# KiCad board latentpink.kicad_pcb (continued)
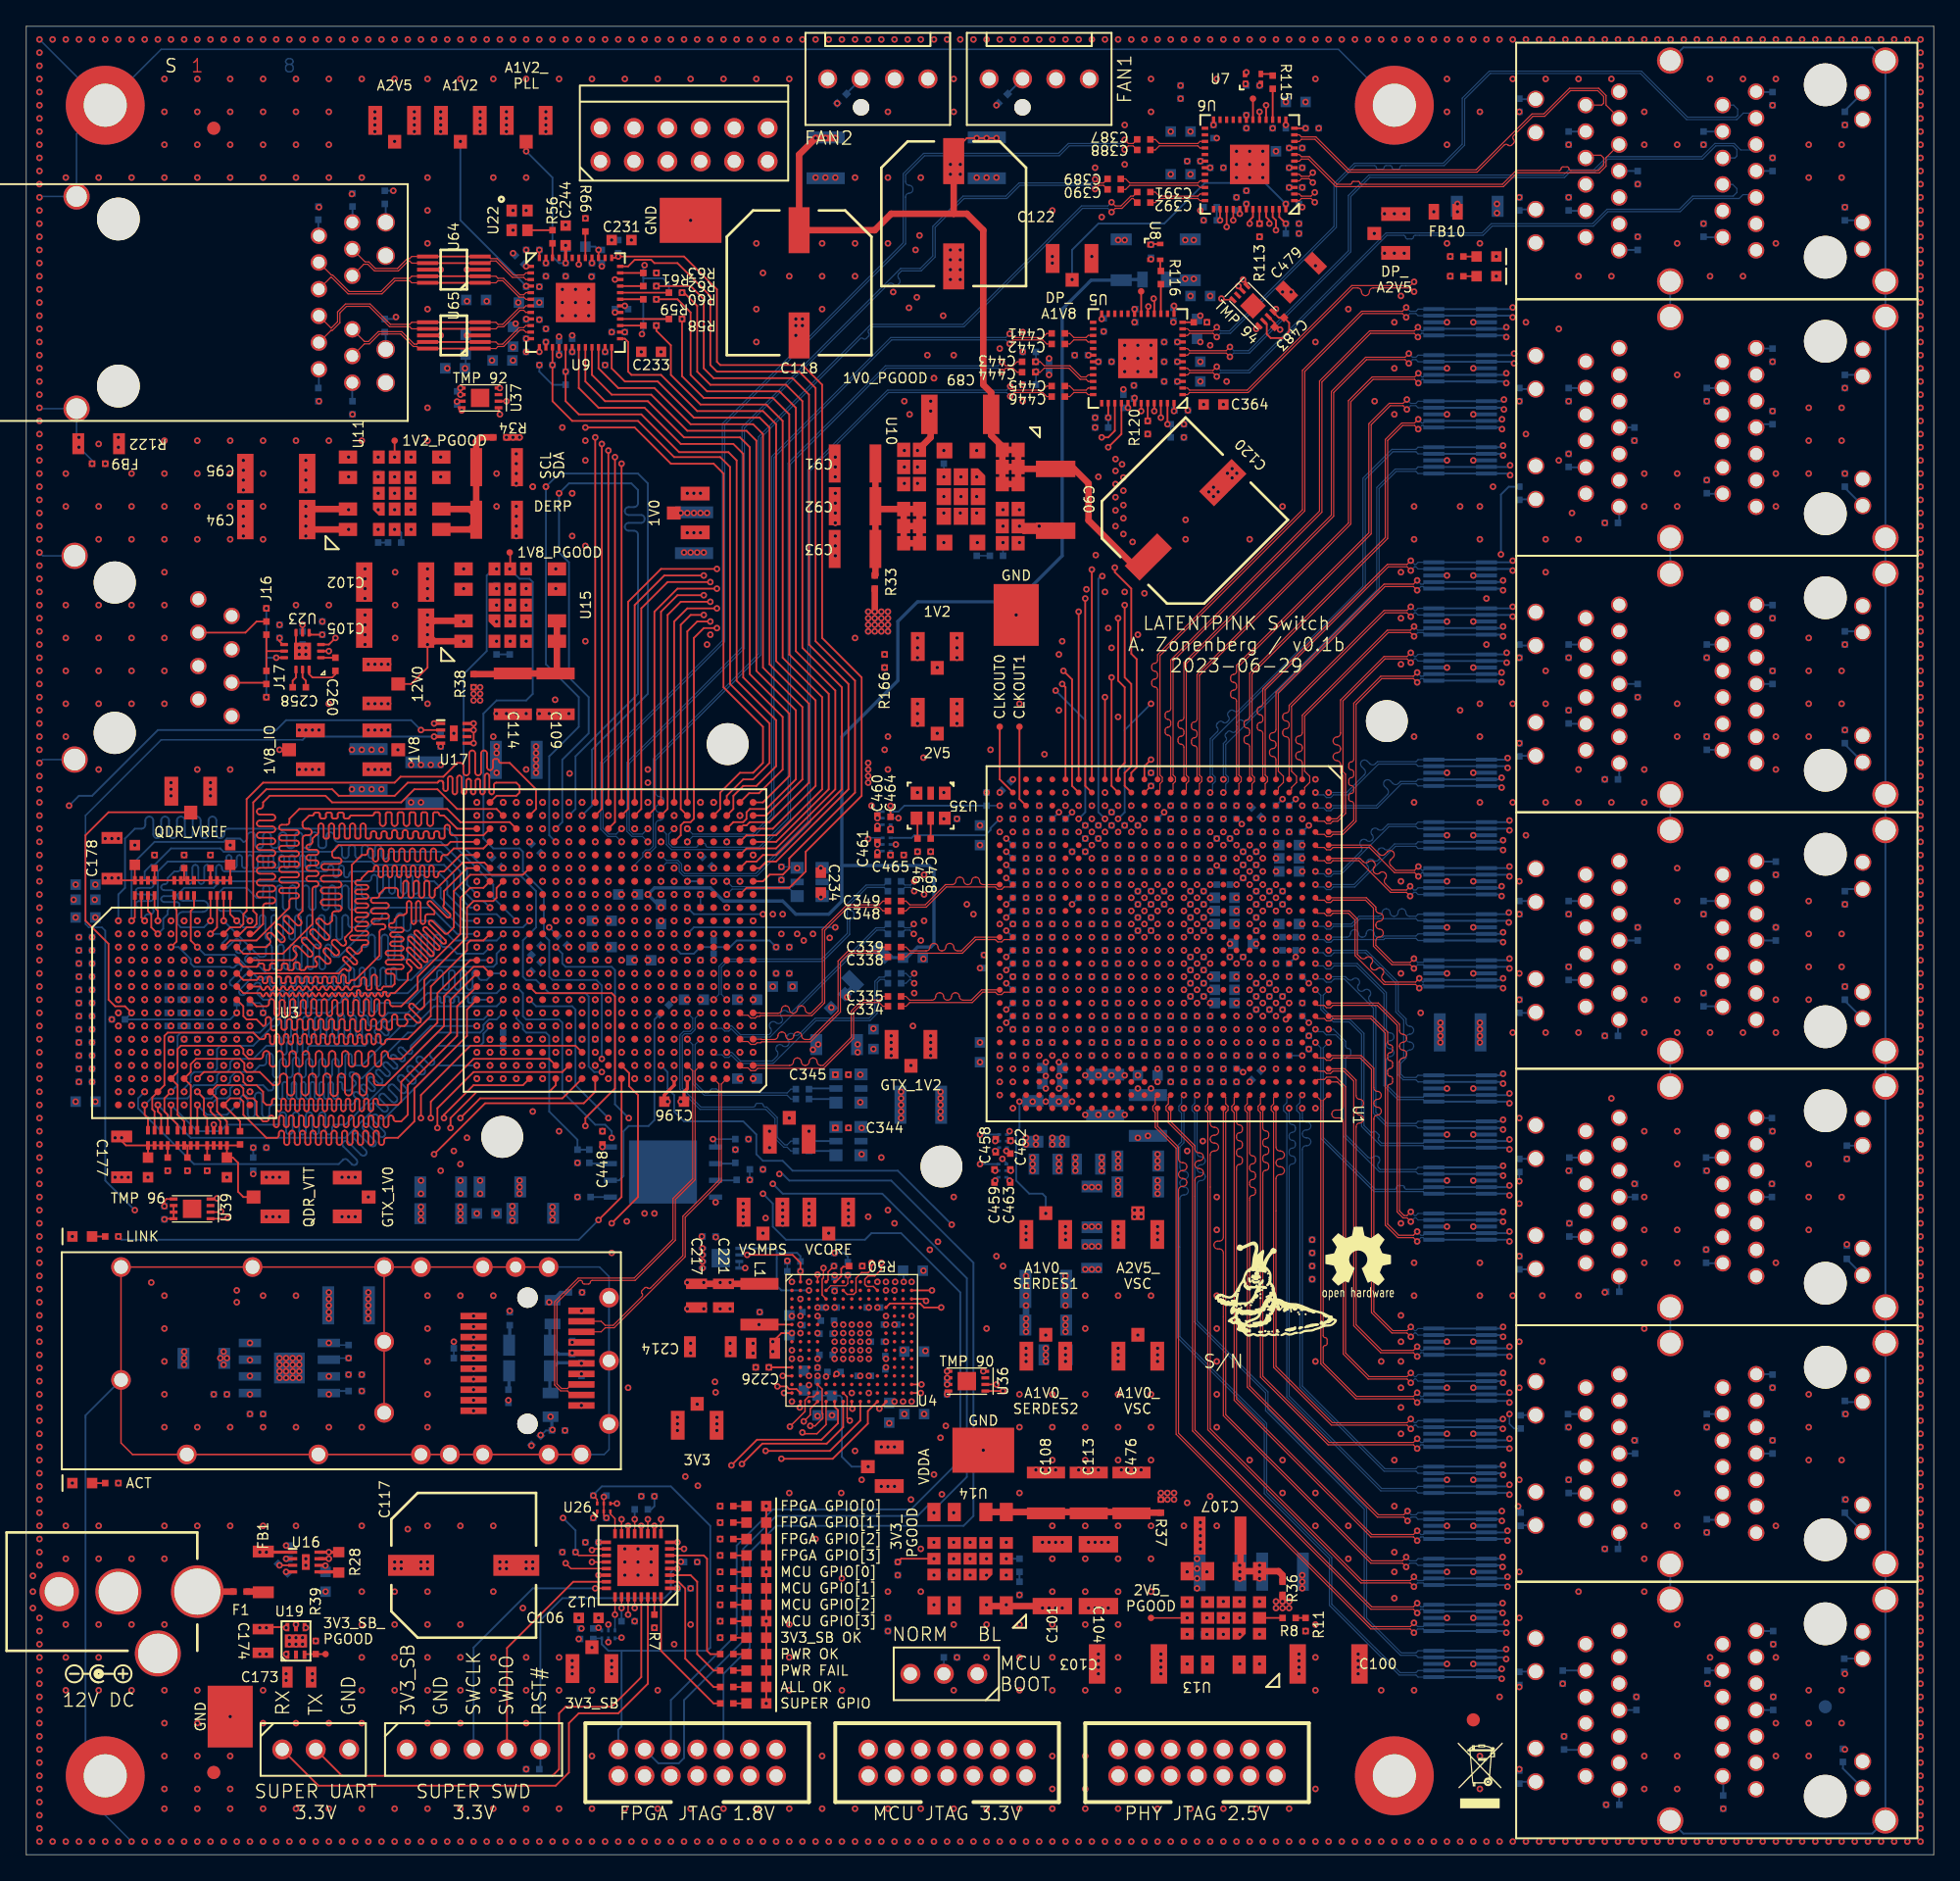
[diagram p0: board, top side]
## Routing (per net, layer and track width the routed paths; a pad name or vN(x,y) marks a point on that pad's centre or on a via; arc(x,y) is an arc through that point) (continued)
  Bottom w0.081: C366.2 v1(90.5,130.5)
  Bottom w0.115: v1(18,64) 18,64.5 17.75,64.75 C176.2 ; 90.95,74.75 v1(90.5,75.2) ; U32.5 v1(74.84,54.25) ; v1(74.84,52) U31.5 ; C12.2 v1(79.5,72.25) ; C315.2 v1(74.5,66.25) ; R15.2 v1(69.75,104.75) ; v1(83.4,111.4) C378.2 ; R32.2 23.16,38.75 ; C245.2 v1(40.5,115.41) ; R130.1 v1(97,60.75) ; C308.2 v1(97.5,63.25) ; U27.2 v1(44.25,17.5) ; v1(61.45,40.3) 61.4,40.35 C220.1 ; U27.5 v1(44.25,16.16) ; U31.2 v1(73.66,52) ; U32.2 v1(73.66,54.25) ; v1(36.25,63) C192.2 ; R2.1 v1(74.25,99.75)
  Bottom w0.14: C332.2 v1(86.5,79.25) ; C309.2 v1(74.5,68.25) ; C353.2 v1(96.5,68.25) C68.2 ; C296.2 v1(74.5,74.25) ; C305.2 v1(74.5,77.25) ; C246.2 v1(41.5,115.5) ; C71.2 v1(97.5,66.25) ; U57.8 v1(110,35.5) ; v1(110,74) U50.8 ; C327.2 v1(74.5,63.25) ; C74.2 v1(92.4,78.35) ; U41.8 v1(110,58.25) ; v1(92.5,59.49) 92.24,59.75 C72.2 ; U28.4 v1(52.4,49.6) ; U60.8 v1(110,28.5) ; U61.8 v1(110,32) ; U34.2 v1(64.7,78.8) ; C321.2 v1(79.5,79.25) ; R23.2 v1(70.5,21.25) ; v1(110,106) U46.8 ; U44.8 v1(110,47.75) ; C85.2 v1(95.5,80.25) ; 46.9,119.9 R72.1 46.9,120.74 v1(47,120.84) ; 46.9,119.9 R71.1 ; 46.9,119.9 46.96,119.84 48.41,119.84 48.85,119.4 R70.1 ; U49.8 v1(110,21.5) ; U52.8 v1(110,14.5) ; v1(110,67) U54.8 ; C314.2 v1(74.5,70.25) ; 78.5,59.75 v1(78.5,60.25) ; U48.8 v1(110,25) ; C254.2 v1(37,121.75) ; C86.2 v1(97.5,78.25) ; C319.2 v1(74.5,71.25) ; C256.2 v1(43.75,120.75) ; R110.1 v1(97,69.75) ; R29.2 v1(19.75,23.5) ; C300.2 v1(74.5,76.25) ; v1(110,18) U53.8 ; U56.8 v1(110,39) ; U45.8 v1(110,51.25) ; U59.8 v1(110,93.75) ; C367.2 v1(97,125.25) ; C50.2 v1(90,73.75) ; U63.8 v1(110,90.25) ; R65.1 40,111.75 39,112.75 v1(39,113.25) ; U33.2 v1(64.7,76.8) ; C326.2 v1(74.5,72.25) ; U51.8 v1(110,77.5) ; C75.2 v1(96.5,80.25) ; v1(110,70.5) U55.8 ; C298.2 v1(74.5,75.25) ; C320.2 v1(74.5,64.25) ; C316.2 v1(78.5,79.25) ; U58.8 v1(110,97.25) ; U40.8 v1(110,116.5) ; v1(110,109.5) U47.8 ; U62.8 v1(110,82.25) ; v1(110,113) U43.8 ; C304.2 v1(74.5,67.25)
  Bottom w0.25: R135.1 v1(36.65,34.55)
  vias: v1(3,127.5) v1(3,105) v1(3,102.5) v1(3,95) v1(3,92.5) v1(3,90) v1(3,87.5) v1(3,85) v1(3,25) v1(3,22.5) v1(3,17.5) v1(3,15) v1(3,12.5) v1(4,69.75) v1(4,68.75) v1(4,67.75) v1(4,66.75) v1(4,65.75) v1(4,64.75) v1(4,63.75) v1(4,62.75) v1(4,61.75) v1(4,60.75) v1(4,59.75) v1(5.5,127.5) v1(5.5,107.25) v1(5.5,102.5) v1(5.5,100) v1(5.5,95) v1(5.5,92.5) v1(5.5,90) v1(5.5,87.5) v1(5.5,82.5) v1(5.5,25) v1(5.5,22.5) v1(5.5,17.5) v1(5.5,15) v1(5.5,12.5) v1(6.5,77.25) v1(7.25,51.5) v1(7.75,51.5) v1(8,127.5) v1(8,105) v1(8,102.5) v1(8,100) v1(8,95) v1(8,92.5) v1(8,90) v1(8,87.5) v1(8,22.5) v1(8,17.5) v1(8,12.5) v1(10.5,135) v1(10.5,132.5) v1(10.5,130) v1(10.5,127.5) v1(10.5,107.5) v1(10.5,105) v1(10.5,102.5) v1(10.5,100) v1(10.5,97.5) v1(10.5,95) v1(10.5,92.5) v1(10.5,90) v1(10.5,87.5) v1(10.5,42.5) v1(10.5,40) v1(10.5,37.5) v1(10.5,35) v1(10.5,32.5) v1(10.5,25) v1(10.5,22.5) v1(10.5,17.5) v1(10.5,12.5) v1(10.5,10) v1(10.5,7.5) v1(10.5,5) v1(10.5,3.5) v1(11,81) v1(11,68) v1(11,60) v1(12,67) v1(12,66) v1(12,65) v1(12,64) v1(12,63) v1(12,62) v1(12,61) v1(12,37.75) v1(12,37.25) v1(12.25,52) v1(13,135) v1(13,132.5) v1(13,130) v1(13,127.5) v1(13,107.5) v1(13,105) v1(13,102.5) v1(13,100) v1(13,82.5) v1(13,68) v1(13,60) v1(13,32.5) v1(13,25) v1(13,12.5) v1(13,10) v1(13,7.5) v1(13,5) v1(13,3.5) v1(14,81) v1(15.5,135) v1(15.5,132.5) v1(15.5,130) v1(15.5,127.5) v1(15.5,107.5) v1(15.5,105) v1(15.5,102.5) v1(15.5,100) v1(15.5,82.5) v1(15.5,32.5) v1(15.5,25) v1(15.5,7.5) v1(15.5,5) v1(15.5,3.5) v1(16.5,105.25) v1(16.5,104.5) v1(16.5,103.75) v1(16.5,102.5) v1(16.5,101.75) v1(16.5,101) v1(17.25,51.75) v1(18,135) v1(18,132.5) v1(18,130) v1(18,127.5) v1(18,107.5) v1(18,105) v1(18,102.5) v1(18,100) v1(18,42.5) v1(18,32.5) v1(18,25) v1(18,12.5) v1(18,10) v1(18,3.5) v1(18.25,51.5) v1(18.75,51.5) v1(18.75,48.5) v1(19.25,37.25) v1(19.25,36.75) v1(19.75,37.25) v1(19.75,36.75) v1(20.25,37.25) v1(20.25,36.75) v1(20.5,135) v1(20.5,132.5) v1(20.5,130) v1(20.5,127.5) v1(20.5,107.5) v1(20.5,95) v1(20.5,42.5) v1(20.5,32.5) v1(20.5,25) v1(20.5,16.5) v1(20.5,10) v1(20.5,3.5) v1(20.75,37.25) v1(20.75,36.75) v1(21.25,85.5) v1(21.25,82.5) v1(21.75,85.5) v1(21.75,82.5) v1(23,135) v1(23,132.5) v1(23,130) v1(23,127.5) v1(23,107.5) v1(23,95) v1(23,87.5) v1(23,32.5) v1(23,10) v1(23,3.5) v1(24,51.5) v1(24.5,51.5) v1(24.5,48.5) v1(25.5,135) v1(25.5,127.5) v1(25.5,107.5) v1(25.5,81) v1(25.5,36.5) v1(25.5,32.5) v1(25.5,25) v1(25.5,20) v1(25.5,17.5) v1(25.5,15) v1(25.5,12.5) v1(25.5,10) v1(25.5,3.5) v1(25.75,97.75) v1(25.75,97) v1(25.75,96.25) v1(25.75,95.5) v1(25.75,94.25) v1(25.75,93.5) v1(25.75,92.75) v1(26,42.25) v1(26,41.75) v1(26,41.25) v1(26,40.75) v1(26.25,81) v1(26.5,132) v1(26.5,131.5) v1(26.5,90.5) v1(26.5,87.5) v1(26.5,85.5) v1(26.5,82.5) v1(26.75,103.5) v1(26.75,102.25) v1(27,90.5) v1(27,87.5) v1(27,85.5) v1(27,82.5) v1(27,81) v1(28,135) v1(28,103.5) v1(28.04,97.5) v1(28.04,95) v1(28.04,92.5) v1(28,20) v1(28,17.5) v1(28,15) v1(28,12.5) v1(28,3.5) v1(29.25,104.75) v1(29.25,103.5) v1(29.5,132) v1(29.5,131.5) v1(30,48.75) v1(30.5,135) v1(30.5,127.5) v1(30.5,125) v1(30.5,122.5) v1(30.5,117.5) v1(30.5,110) v1(30.5,107.5) v1(30.5,87.5) v1(30.5,42.5) v1(30.5,40) v1(30.5,37.5) v1(30.5,35) v1(30.5,32.5) v1(30.5,25) v1(30.5,20) v1(30.5,17.5) v1(30.5,15) v1(30.5,12.5) v1(30.5,10) v1(30.5,3.5) v1(31.5,132) v1(31.5,131.5) v1(31.5,52) v1(32.5,53.5) v1(33,135) v1(33,52.5) v1(33,42.5) v1(33,25) v1(33,17.5) v1(33,15) v1(33,12.5) v1(33,10) v1(33,3.5) v1(33.5,54.5) v1(34.5,132) v1(34.5,131.5) v1(35.5,135) v1(35.5,127.5) v1(35.5,85) v1(35.5,42.5) v1(35.5,25) v1(35.5,20) v1(35.5,15) v1(35.5,12.5) v1(35.5,3.5) v1(35.75,105) v1(35.75,102.5) v1(35.75,83.75) v1(35.75,82.25) v1(36.5,132) v1(36.5,131.5) v1(36.5,86.75) v1(36.5,22.25) v1(36.5,21.75) v1(36.75,96.25) v1(36.79,95) v1(36.79,93.75) v1(37.25,105.75) v1(37.25,105) v1(37.25,102.5) v1(37.25,101.75) v1(37.25,101) v1(37.25,86.75) v1(37.5,50.75) v1(38,135) v1(38,127.5) v1(38,96.25) v1(38,86.75) v1(38,82.5) v1(38,22.25) v1(38,15) v1(38,12.5) v1(38,10) v1(38,3.5) v1(38.5,56.5) v1(39,86.75) v1(39.5,132) v1(39.5,131.5) v1(39.75,86.75) v1(40.5,135) v1(40.5,86.75) v1(40.5,55) v1(40.5,15) v1(40.5,12.5) v1(40.5,3.5) v1(40.75,108.5) v1(41.25,70) v1(41.5,38.95) v1(41.75,118) v1(42,16.4) v1(42.25,69) v1(42.5,107.5) v1(42.5,106) v1(42.75,118) v1(43,135) v1(43,12.5) v1(43,7.5) v1(43,3.5) v1(43.25,72) v1(43.25,68) v1(45.25,70) v1(45.5,135) v1(45.5,22.25) v1(45.5,3.5) v1(46.25,67) v1(46.5,23.25) v1(46.5,22.25) v1(46.5,21.25) v1(47.5,22.25) v1(48,135) v1(48,12.5) v1(48,3.5) v1(48.25,73) v1(49.25,63) v1(49.25,62) v1(49.25,61) v1(49.25,60) v1(49.5,32.75) v1(50.5,135) v1(50.5,99) v1(50.5,38.88) v1(50.5,17.5) v1(50.5,3.5) v1(50.75,103.5) v1(50.75,100.5) v1(51.4,45.6) v1(51.4,45.1) v1(51.5,41.5) v1(52,92.75) v1(52.25,66) v1(52.25,60.05) v1(52.5,32.75) v1(52.75,41.5) v1(53,135) v1(53,3.5) v1(53.25,60.05) v1(54.25,67) v1(54.5,49) v1(54.5,48.5) v1(55.5,135) v1(55.5,122.5) v1(55.5,117.5) v1(55.5,115) v1(55.5,3.5) v1(57.5,49) v1(57.5,48.5) v1(58,135) v1(58,120) v1(58,27.5) v1(58,17.5) v1(58,15) v1(58,12.5) v1(58,3.5) v1(58.5,116.25) v1(59.5,49) v1(59.5,48.5) v1(60,24) v1(60.5,122.5) v1(60.5,120) v1(60.5,117.5) v1(60.5,7.5) v1(60.5,3.5) v1(60.75,127.5) v1(61.5,105.5) v1(61.5,104.75) v1(61.5,103.5) v1(61.5,102.75) v1(61.5,102) v1(61.5,101.25) v1(61.5,99.5) v1(61.45,39.65) v1(61.45,39) v1(61.45,38.35) v1(62,21) v1(62,12.5) v1(62.1,39.65) v1(62.1,39) v1(62.1,38.35) v1(62.5,49) v1(62.5,48.5) v1(62.75,39.65) v1(62.75,39) v1(62.75,38.35) v1(63,127.5) v1(63,122.5) v1(63,120) v1(63,92.5) v1(63,3.5) v1(63.4,39.65) v1(63.4,39) v1(63.4,38.35) v1(64,48.5) v1(64.05,39.65) v1(64.05,39) v1(64.05,38.35) v1(65,53) v1(65.5,132.5) v1(65.5,127.5) v1(65.5,122.5) v1(65.5,85) v1(65.5,82.5) v1(65.5,28) v1(65.5,20) v1(65.5,3.5) v1(65.75,61.75) v1(65.75,61.25) v1(65.75,60.75) v1(66.75,105.5) v1(67.5,65.5) v1(67.75,105.5) v1(67.75,91.75) v1(67.75,86.75) v1(67.75,86) v1(68,127.5) v1(68,69.5) v1(68,20) v1(68,3.5) v1(68.25,74.5) v1(68.25,73) v1(68.25,71) v1(68.5,114) v1(68.75,109.75) v1(68.75,61.75) v1(68.75,61.25) v1(68.75,60.75) v1(69.5,57.5) v1(69.5,57) v1(69.5,56.5) v1(70,36.25) v1(70.25,121.25) v1(70.25,120.5) v1(70.5,135) v1(70.5,132.5) v1(70.5,114) v1(70.5,50) v1(70.5,23.75) v1(70.5,17.5) v1(70.5,12.5) v1(70.5,3.5) v1(70.75,91.75) v1(70.75,91) v1(70.75,86.75) v1(71,121.25) v1(71,120.5) v1(71.05,104.75) v1(71.05,103.25) v1(71,102) v1(71.75,23.75) v1(71.75,22.5) v1(71.75,21.25) v1(73,127.5) v1(73,40) v1(73,21.25) v1(73,17.5) v1(73,15) v1(73,3.5) v1(74,114.5) v1(74.25,101) v1(75,59.75) v1(75.5,87.5) v1(75.5,35) v1(75.5,32.5) v1(75.5,27.5) v1(75.5,17.5) v1(75.5,15) v1(75.5,12.5) v1(75.5,3.5) v1(75.75,115.75) v1(75.75,110.5) v1(76,47.25) v1(76,38) v1(77,60.75) v1(77.25,29.25) v1(77.75,29.25) v1(77.75,23.75) v1(78,125) v1(78,75.75) v1(78,74.75) v1(78,73.75) v1(78,72.75) v1(78,71.75) v1(78,69.75) v1(78,68.75) v1(78,67.75) v1(78,65.75) v1(78,64.75) v1(78,63.75) v1(78,61.75) v1(78,35) v1(78,32.5) v1(78,30) v1(78,25) v1(78,22.5) v1(78,20) v1(78,17.5) v1(78,15) v1(78,12.5) v1(78,7.5) v1(78,5) v1(78,3.5) v1(78.25,23.75) v1(78.5,91.25) v1(78.5,59.2) v1(78.5,52.5) v1(79,70.75) v1(79,66.75) v1(79,62.75) v1(79,47.25) v1(79,43.25) v1(79,42.5) v1(79,38) v1(79.75,52.5) v1(80,60.75) v1(80.5,44.5) v1(80.5,42.5) v1(80.5,40) v1(80.5,35) v1(80.5,32.5) v1(80.5,30) v1(80.5,29.25) v1(80.5,25) v1(80.5,22.5) v1(80.5,20) v1(80.5,17.5) v1(80.5,12.5) v1(80.5,7.5) v1(80.5,5) v1(80.5,3.5) v1(81,60.75) v1(81,44.5) v1(81,29.25) v1(81.25,128.25) v1(81.25,18.75) v1(81.5,56.25) v1(81.5,14.75) v1(81.5,14.25) v1(81.75,124.5) v1(81.75,18.75) v1(82,96) v1(82,60.75) v1(82.5,56.25) v1(83,75.75) v1(83,72.75) v1(83,71.75) v1(83,70.75) v1(83,69.75) v1(83,68.75) v1(83,67.75) v1(83,66.75) v1(83,65.75) v1(83,64.75) v1(83,62.75) v1(83,61.75) v1(83,47.25) v1(83,42.5) v1(83,38) v1(83,35) v1(83,32.5) v1(83,30) v1(83,25) v1(83,22.5) v1(83,20) v1(83,17.5) v1(83,15) v1(83,12.5) v1(83,3.5) v1(83.5,131.5) v1(83.5,128.5) v1(83.5,122.75) v1(83.5,56.25) v1(83.75,29.25) v1(84,72.75) v1(84,71.75) v1(84,70.75) v1(84,68.75) v1(84,67.75) v1(84,66.75) v1(84,65.75) v1(84,64.75) v1(84,60.75) v1(84.25,29.25) v1(84.5,113.75) v1(85,73.75) v1(85,72.75) v1(85,71.75) v1(85,70.75) v1(85,69.75) v1(85,68.75) v1(85,67.75) v1(85,66.75) v1(85,65.75) v1(85,64.75) v1(85,60.75) v1(85.5,135) v1(85.5,132.5) v1(85.5,113.75) v1(85.5,42.5) v1(85.5,35) v1(85.5,32.5) v1(85.5,30) v1(85.5,25) v1(85.5,22.5) v1(85.5,20) v1(86,73.75) v1(86,72.75) v1(86,71.75) v1(86,70.75) v1(86,69.75) v1(86,68.75) v1(86,67.75) v1(86,66.75) v1(86,65.75) v1(86,64.75) v1(86,59.75) v1(86,50.75) v1(86,47.75) v1(86,47.25) v1(86,38) v1(86,3.5) v1(87,78.75) v1(87,73.75) v1(87,72.75) v1(87,71.75) v1(87,70.75) v1(87,69.75) v1(87,68.75) v1(87,67.75) v1(87,66.75) v1(87,65.75) v1(87,64.75) v1(87,59.75) v1(87.2,116.5) v1(88,73.75) v1(88,72.75) v1(88,71.75) v1(88,70.75) v1(88,69.75) v1(88,68.75) v1(88,67.75) v1(88,66.75) v1(88,65.75) v1(88,64.75) v1(88,25) v1(88.13,101.48) v1(88.13,100) v1(88.5,3.5) v1(89,73.75) v1(89,72.75) v1(89,71.75) v1(89,70.75) v1(89,69.75) v1(89,68.75) v1(89,67.75) v1(89,66.75) v1(89,65.75) v1(89,64.75) v1(89,22.5) v1(89,21.75) v1(89,21) v1(89,20.25) v1(89.25,24.75) v1(89.25,24.25) v1(89.25,23.75) v1(89.25,23.25) v1(89.75,19.25) v1(90,114.75) v1(90,72.75) v1(90,71.75) v1(90,70.75) v1(90,69.75) v1(90,68.75) v1(90,67.75) v1(90,66.75) v1(90,65.75) v1(90,64.75) v1(90.5,135) v1(90.5,50) v1(90.5,47.5) v1(90.5,42.5) v1(90.5,40) v1(90.5,37.5) v1(90.5,35) v1(90.5,32.5) v1(90.5,25) v1(91,19.25) v1(91,18) v1(91,16.75) v1(91,3.5) v1(91.25,112) v1(92.25,16.75) v1(93,128.5) v1(93,100) v1(93,30) v1(93.5,70.25) v1(93.5,3.5) v1(95.5,102.5) v1(95.5,64.25) v1(95.5,30) v1(95.5,27.5) v1(96,3.5) v1(97,128.25) v1(97,75.75) v1(97,74.75) v1(97,20.75) v1(97,20.25) v1(98,135) v1(98,115) v1(98,37.5) v1(98,27.5) v1(98,25) v1(98,17.5) v1(98,15) v1(98,12.5) v1(98,5) v1(100.5,117.5) v1(100.5,25) v1(100.5,22.5) v1(101.25,14.75) v1(101.25,14.25) v1(101.25,13.75) v1(102.5,110.5) v1(103,37.5) v1(103,12.5) v1(104,116.5) v1(104,113) v1(104,109.5) v1(104,30) v1(104,26.5) v1(104,23) v1(104,21.5) v1(104,19.5) v1(104.5,118.5) v1(104.5,97.5) v1(104.5,94) v1(104.5,90.5) v1(104.5,74) v1(104.5,67) v1(104.5,48) v1(104.5,41) v1(104.5,39) v1(104.5,37.5) v1(104.5,35.5) v1(104.5,34) v1(104.5,32) v1(105.5,102.5) v1(105.5,100) v1(105.5,85) v1(105.5,80) v1(105.5,45) v1(105.5,42.5) v1(105.5,12.5) v1(106,64) v1(108,135) v1(108,132.5) v1(108,130) v1(108,122.5) v1(109,102.5) v1(109,87) v1(110,54.75) v1(110.5,132.5) v1(110.5,122.5) v1(110.5,102.5) v1(110.5,100) v1(110.5,87.5) v1(110.5,85) v1(110.5,80) v1(110.5,62.75) v1(110.5,62.25) v1(110.5,45) v1(110.5,42.5) v1(110.5,7.5) v1(110.5,5) v1(111,95.5) v1(111,92) v1(111.5,104) v1(112,12) v1(113,135) v1(113,87.5) v1(113,80) v1(113,62.5) v1(113,42.5) v1(113.5,74) v1(113.5,67) v1(113.5,56) v1(113.5,49.5) v1(113.5,39) v1(113.5,35.5) v1(113.5,28.5) v1(113.5,21.5) v1(113.5,18) v1(114,116.5) v1(114,108) v1(114,77.5) v1(115.25,42.5) v1(115.25,37.5) v1(115.5,135) v1(115.5,100) v1(115.5,97.5) v1(115.5,90) v1(115.5,87.5) v1(115.5,80) v1(115.5,62.5) v1(116.5,116) v1(116.5,106) v1(117.5,102) v1(118,135) v1(118,120) v1(118,100) v1(118,82.5) v1(118,80) v1(118,62.5) v1(118,42.5) v1(118,20) v1(120,81.75) v1(120.5,135) v1(120.5,120) v1(120.5,80) v1(120.5,57.5) v1(123,132.5) v1(123,130) v1(123,105) v1(123,102.5) v1(123,82.5) v1(123,80) v1(123,65) v1(123,62.5) v1(123,55) v1(123,50) v1(123,47.5) v1(123,45) v1(123,40) v1(123,25) v1(123,22.5) v1(123,20) v1(123,7.5) v1(123,5) v1(125.5,130) v1(125.5,122.5) v1(125.5,112.5) v1(125.5,105) v1(125.5,102.5) v1(125.5,87.5) v1(125.5,85) v1(125.5,75) v1(125.5,72.5) v1(125.5,67.5) v1(125.5,65) v1(125.5,62.5) v1(125.5,55) v1(125.5,52.5) v1(125.5,47.5) v1(125.5,45) v1(125.5,27.5) v1(125.5,25) v1(125.5,17.5) v1(125.5,7.5) v1(125.5,5) v1(128,135) v1(128,120) v1(128,67.5) v1(128,62.5) v1(128,15) v1(130.5,135) v1(130.5,120) v1(130.5,62.5) v1(133,135) v1(133,122.5) v1(133,105) v1(133,102.5) v1(133,85) v1(133,82.5) v1(133,65) v1(133,62.5) v1(133,45) v1(133,25) v1(133,15) v1(133,10) v1(133,7.5) v1(135.5,130) v1(135.5,127.5) v1(135.5,110) v1(135.5,107.5) v1(135.5,105) v1(135.5,92.5) v1(135.5,90) v1(135.5,87.5) v1(135.5,85) v1(135.5,72.5) v1(135.5,70) v1(135.5,67.5) v1(135.5,65) v1(135.5,52.5) v1(135.5,50) v1(135.5,47.5) v1(135.5,35) v1(135.5,32.5) v1(135.5,30) v1(135.5,12.5) v1(135.5,10) v1(135.5,7.5) v1(138,130) v1(138,127.5) v1(138,110) v1(138,107.5) v1(138,90) v1(138,87.5) v1(138,70) v1(138,67.5) v1(138,50) v1(138,30) v1(138,12.5) v1(138,10)
